# KiCad board PLC-Hardware.kicad_pcb
title: PLC RestoMod Digital I/O PCB; date: 2024-01-04; rev: 2.0; company: Akbar Q Open Source; note: Silk Screen Improved; note: PCB Manufacture Complete by JLC; note: Soldering Done, PCB Functional; note: Restoration Project In Progress
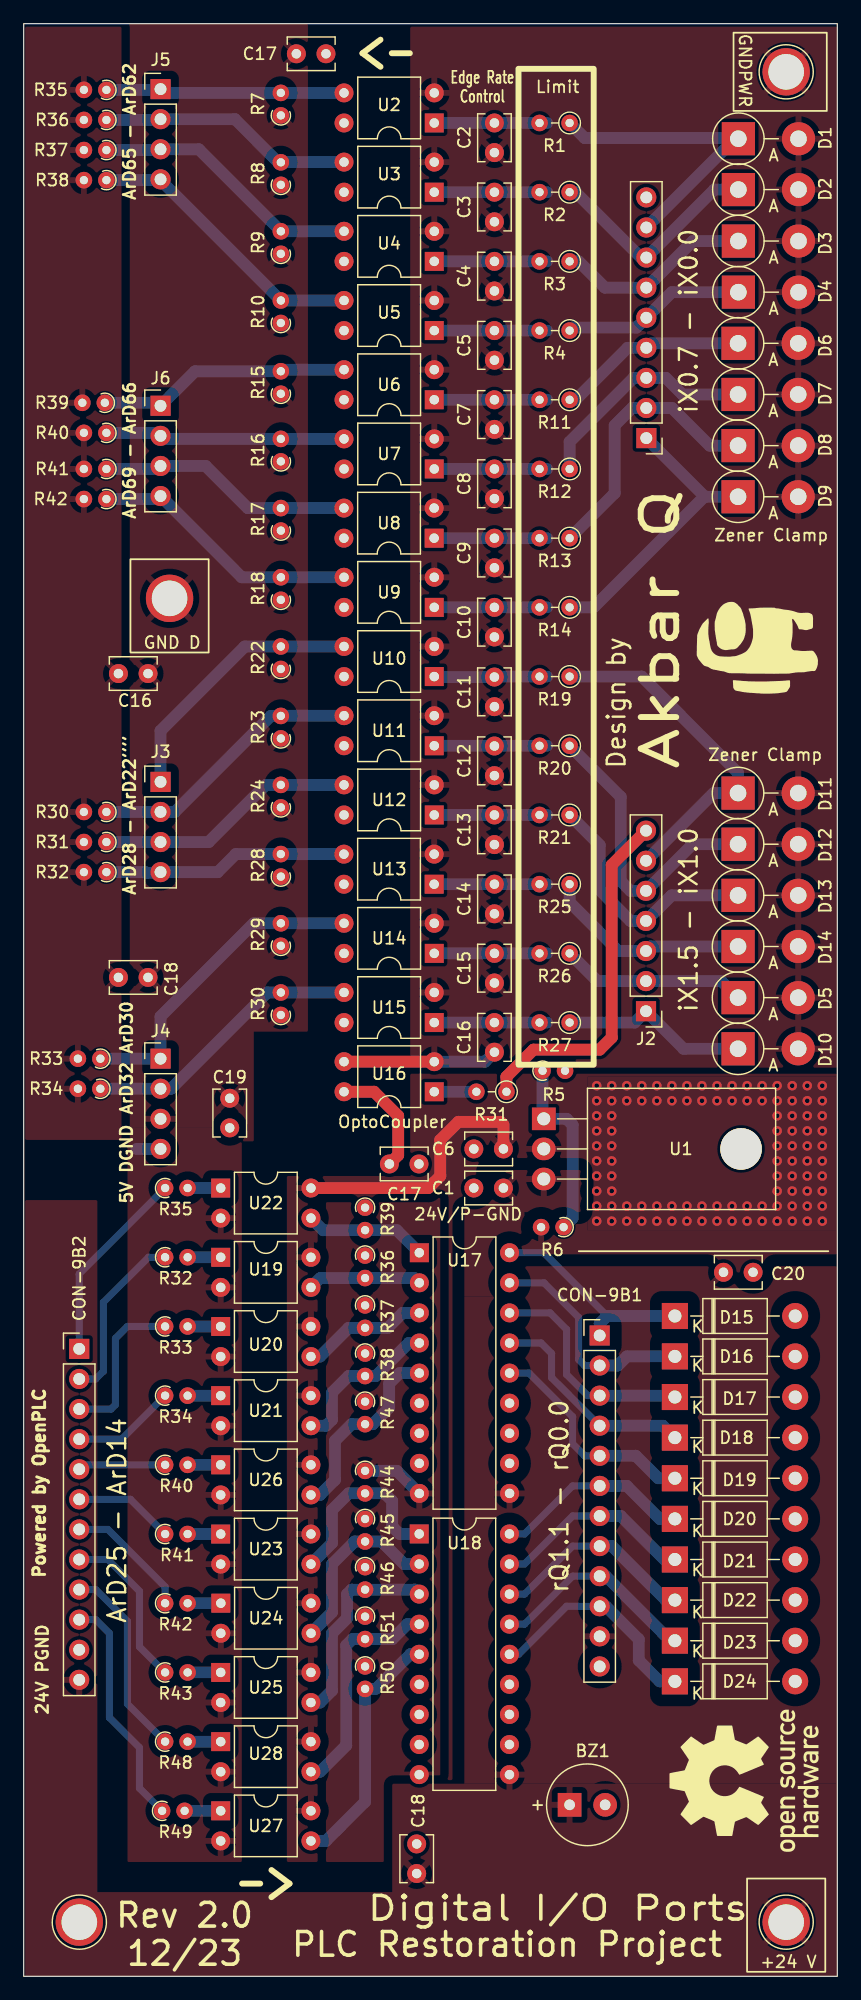
[diagram p0: board, top side]
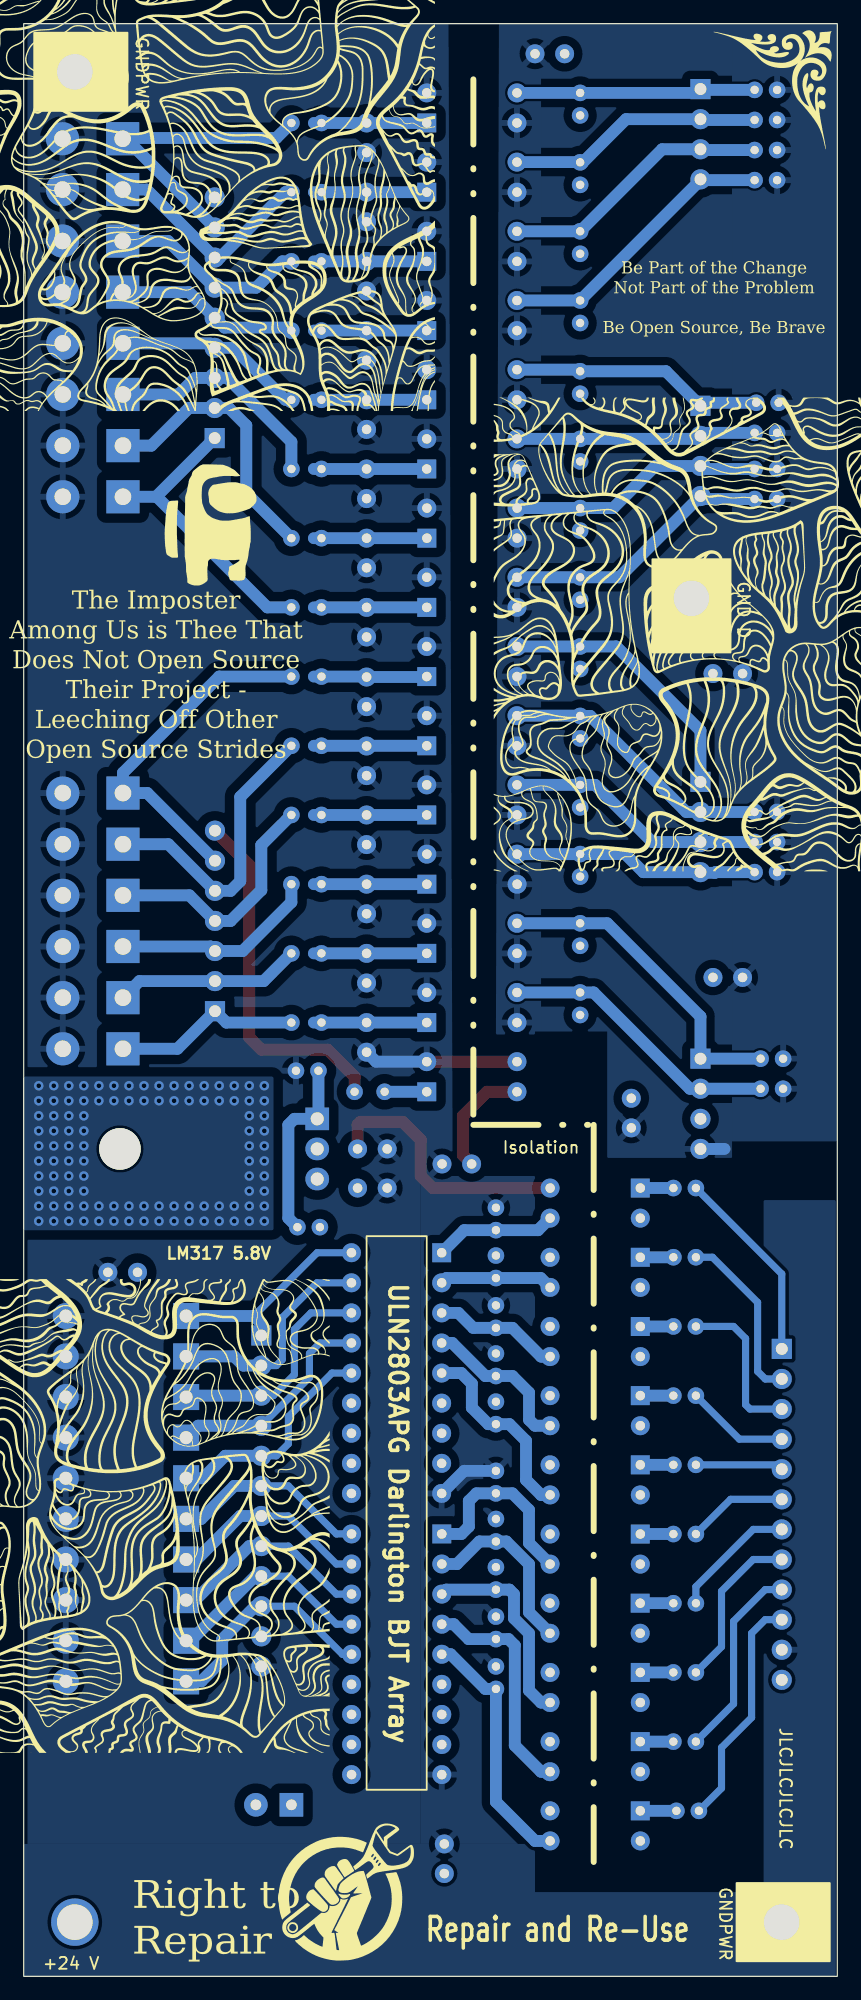
[diagram p1: board, bottom side, seen from below]

Outline 68.71 x 164.85 mm; copper layers: Top, Bottom. Coordinates in mm from the lower left corner of the outline.
Outline path: rectangle 0,164.85 68.71,0
Stack: Top 0.035mm / dielectric 1.51mm FR4 er 4.5 / Bottom 0.035mm

## Placement (name value [footprint] x y rotation side)
BZ1  Buzzer  [MagneticBuzzer_Kobitone_254-EMB73-RO]  46.1 14.48 0 top
C1  C_Small  [C_Disc_D3.8mm_W2.6mm_P2.50mm]  38.01 66.55 0 top
C2  C_Small  [C_Disc_D3.8mm_W2.6mm_P2.50mm]  39.75 153.96 90 top
C3  C_Small  [C_Disc_D3.8mm_W2.6mm_P2.50mm]  39.75 148.12 90 top
C4  C_Small  [C_Disc_D3.8mm_W2.6mm_P2.50mm]  39.75 142.28 90 top
C5  C_Small  [C_Disc_D3.8mm_W2.6mm_P2.50mm]  39.75 136.44 90 top
C6  C_Small  [C_Disc_D3.8mm_W2.6mm_P2.50mm]  38.01 69.85 0 top
C7  C_Small  [C_Disc_D3.8mm_W2.6mm_P2.50mm]  39.75 130.6 90 top
C8  C_Small  [C_Disc_D3.8mm_W2.6mm_P2.50mm]  39.75 124.75 90 top
C9  C_Small  [C_Disc_D3.8mm_W2.6mm_P2.50mm]  39.75 118.91 90 top
C10  C_Small  [C_Disc_D3.8mm_W2.6mm_P2.50mm]  39.75 113.07 90 top
C11  C_Small  [C_Disc_D3.8mm_W2.6mm_P2.50mm]  39.75 107.19 90 top
C12  C_Small  [C_Disc_D3.8mm_W2.6mm_P2.50mm]  39.75 101.37 90 top
C13  C_Small  [C_Disc_D3.8mm_W2.6mm_P2.50mm]  39.75 95.54 90 top
C14  C_Small  [C_Disc_D3.8mm_W2.6mm_P2.50mm]  39.75 89.7 90 top
C15  C_Small  [C_Disc_D3.8mm_W2.6mm_P2.50mm]  39.75 83.86 90 top
C16  C_Small  [C_Disc_D3.8mm_W2.6mm_P2.50mm]  39.75 78.02 90 top
C16#2  C_Small  [C_Disc_D3.8mm_W2.6mm_P2.50mm]  8 109.98 0 top
C17  C_Small  [C_Disc_D3.8mm_W2.6mm_P2.50mm]  25.53 162.31 180 top
C17#2  C_Small  [C_Disc_D3.8mm_W2.6mm_P2.50mm]  33.38 68.58 180 top
C18  C_Small  [C_Disc_D3.8mm_W2.6mm_P2.50mm]  8 84.33 0 top
C18#2  C_Small  [C_Disc_D3.8mm_W2.6mm_P2.50mm]  33.19 8.68 90 top
C19  C_Small  [C_Disc_D3.8mm_W2.6mm_P2.50mm]  17.4 71.63 90 top
C20  C_Small  [C_Disc_D3.8mm_W2.6mm_P2.50mm]  59.09 59.44 0 top
CON-9B1  Conn_01x12_Pin  [PinHeader_1x12_P2.54mm_Vertical]  48.64 54.1 0 top
CON-9B2  Conn_01x12_Pin  [PinHeader_1x12_P2.54mm_Vertical]  4.69 52.97 0 top
D1  D_Zener  [D_5W_P5.08mm_Vertical_AnodeUp]  60.35 155.13 0 top
D2  D_Zener  [D_5W_P5.08mm_Vertical_AnodeUp]  60.35 150.84 0 top
D3  D_Zener  [D_5W_P5.08mm_Vertical_AnodeUp]  60.35 146.5 0 top
D4  D_Zener  [D_5W_P5.08mm_Vertical_AnodeUp]  60.35 142.18 0 top
D5  D_Zener  [D_5W_P5.08mm_Vertical_AnodeUp]  60.33 82.62 0 top
D6  D_Zener  [D_5W_P5.08mm_Vertical_AnodeUp]  60.33 137.86 0 top
D7  D_Zener  [D_5W_P5.08mm_Vertical_AnodeUp]  60.33 133.54 0 top
D8  D_Zener  [D_5W_P5.08mm_Vertical_AnodeUp]  60.33 129.23 0 top
D9  D_Zener  [D_5W_P5.08mm_Vertical_AnodeUp]  60.33 124.91 0 top
D10  D_Zener  [D_5W_P5.08mm_Vertical_AnodeUp]  60.33 78.3 0 top
D11  D_Zener  [D_5W_P5.08mm_Vertical_AnodeUp]  60.33 99.89 0 top
D12  D_Zener  [D_5W_P5.08mm_Vertical_AnodeUp]  60.33 95.58 0 top
D13  D_Zener  [D_5W_P5.08mm_Vertical_AnodeUp]  60.33 91.26 0 top
D14  D_Zener  [D_5W_P5.08mm_Vertical_AnodeUp]  60.33 86.94 0 top
D15  1N4007  [D_DO-41_SOD81_P10.16mm_Horizontal]  54.99 55.75 0 top
D16  1N4007  [D_DO-41_SOD81_P10.16mm_Horizontal]  54.99 52.33 0 top
D17  1N4007  [D_DO-41_SOD81_P10.16mm_Horizontal]  54.99 48.91 0 top
D18  1N4007  [D_DO-41_SOD81_P10.16mm_Horizontal]  54.99 45.48 0 top
D19  1N4007  [D_DO-41_SOD81_P10.16mm_Horizontal]  54.99 42.05 0 top
D20  1N4007  [D_DO-41_SOD81_P10.16mm_Horizontal]  54.99 38.62 0 top
D21  1N4007  [D_DO-41_SOD81_P10.16mm_Horizontal]  54.99 35.19 0 top
D22  1N4007  [D_DO-41_SOD81_P10.16mm_Horizontal]  54.99 31.76 0 top
D23  1N4007  [D_DO-41_SOD81_P10.16mm_Horizontal]  54.99 28.33 0 top
D24  1N4007  [D_DO-41_SOD81_P10.16mm_Horizontal]  54.99 24.9 0 top
G***  -  [LOGO]  62.1 112.52 90 top
G***#2  -  [LOGO]  60.83 16.51 90 top
G***#3  -  [LOGO]  5.46 159.26 0 bottom
G***#4  -  [LOGO]  9.02 113.28 0 bottom
G***#5  -  [LOGO]  42.04 7.11 180 bottom
G***#6  -  [LOGO]  62.86 38.86 180 bottom
G***#7  -  [LOGO]  52.56 122.38 180 bottom
G***#8  -  [LOGO]  53.97 152.15 90 bottom
J1  Conn_01x09_Male  [PinHeader_1x09_P2.54mm_Vertical]  52.58 129.86 180 top
J2  Conn_01x07_Male  [PinHeader_1x07_P2.54mm_Vertical]  52.55 81.48 180 top
J3  Conn_01x04_Pin  [PinHeader_1x04_P2.54mm_Vertical]  11.56 100.84 0 top
J4  Conn_01x04_Pin  [PinHeader_1x04_P2.54mm_Vertical]  11.56 77.47 0 top
J5  Conn_01x04_Pin  [PinHeader_1x04_P2.54mm_Vertical]  11.56 159.33 0 top
J6  Conn_01x04_Pin  [PinHeader_1x04_P2.54mm_Vertical]  11.56 132.59 0 top
NOREF  -  [unnamed]  12.32 116.33 0 top
R1  1.2k  [R_Axial_DIN0204_L3.6mm_D1.6mm_P2.54mm_Vertical]  46.1 156.46 180 top
R2  1.2k  [R_Axial_DIN0204_L3.6mm_D1.6mm_P2.54mm_Vertical]  46.1 150.62 180 top
R3  1.2k  [R_Axial_DIN0204_L3.6mm_D1.6mm_P2.54mm_Vertical]  46.1 144.78 180 top
R4  1.2k  [R_Axial_DIN0204_L3.6mm_D1.6mm_P2.54mm_Vertical]  46.1 138.94 180 top
R5  1.2k  [R_Axial_DIN0204_L3.6mm_D1.6mm_P1.90mm_Vertical]  43.81 76.45 0 top
R6  330  [R_Axial_DIN0204_L3.6mm_D1.6mm_P1.90mm_Vertical]  45.59 63.25 180 top
R7  1k  [R_Axial_DIN0204_L3.6mm_D1.6mm_P1.90mm_Vertical]  21.72 157.1 90 top
R8  1k  [R_Axial_DIN0204_L3.6mm_D1.6mm_P1.90mm_Vertical]  21.72 151.24 90 top
R9  1k  [R_Axial_DIN0204_L3.6mm_D1.6mm_P1.90mm_Vertical]  21.72 145.42 90 top
R10  1k  [R_Axial_DIN0204_L3.6mm_D1.6mm_P1.90mm_Vertical]  21.72 139.58 90 top
R11  1.2k  [R_Axial_DIN0204_L3.6mm_D1.6mm_P2.54mm_Vertical]  46.1 133.1 180 top
R12  1.2k  [R_Axial_DIN0204_L3.6mm_D1.6mm_P2.54mm_Vertical]  46.1 127.25 180 top
R13  1.2k  [R_Axial_DIN0204_L3.6mm_D1.6mm_P2.54mm_Vertical]  46.1 121.41 180 top
R14  1.2k  [R_Axial_DIN0204_L3.6mm_D1.6mm_P2.54mm_Vertical]  46.1 115.57 180 top
R15  1k  [R_Axial_DIN0204_L3.6mm_D1.6mm_P1.90mm_Vertical]  21.72 133.6 90 top
R16  1k  [R_Axial_DIN0204_L3.6mm_D1.6mm_P1.90mm_Vertical]  21.72 127.89 90 top
R17  1k  [R_Axial_DIN0204_L3.6mm_D1.6mm_P1.90mm_Vertical]  21.72 122.05 90 top
R18  1k  [R_Axial_DIN0204_L3.6mm_D1.6mm_P1.90mm_Vertical]  21.72 116.21 90 top
R19  1.2k  [R_Axial_DIN0204_L3.6mm_D1.6mm_P2.54mm_Vertical]  46.1 109.73 180 top
R20  1.2k  [R_Axial_DIN0204_L3.6mm_D1.6mm_P2.54mm_Vertical]  46.1 103.89 180 top
R21  1.2k  [R_Axial_DIN0204_L3.6mm_D1.6mm_P2.54mm_Vertical]  46.1 98.04 180 top
R22  1k  [R_Axial_DIN0204_L3.6mm_D1.6mm_P1.90mm_Vertical]  21.72 110.37 90 top
R23  1k  [R_Axial_DIN0204_L3.6mm_D1.6mm_P1.90mm_Vertical]  21.72 104.51 90 top
R24  1k  [R_Axial_DIN0204_L3.6mm_D1.6mm_P1.90mm_Vertical]  21.72 98.68 90 top
R25  1.2k  [R_Axial_DIN0204_L3.6mm_D1.6mm_P2.54mm_Vertical]  46.1 92.2 180 top
R26  1.2k  [R_Axial_DIN0204_L3.6mm_D1.6mm_P2.54mm_Vertical]  46.1 86.36 180 top
R27  1.2k  [R_Axial_DIN0204_L3.6mm_D1.6mm_P2.54mm_Vertical]  46.1 80.52 180 top
R28  1k  [R_Axial_DIN0204_L3.6mm_D1.6mm_P1.90mm_Vertical]  21.72 92.84 90 top
R29  1k  [R_Axial_DIN0204_L3.6mm_D1.6mm_P1.90mm_Vertical]  21.72 87 90 top
R30  1k  [R_Axial_DIN0204_L3.6mm_D1.6mm_P1.90mm_Vertical]  6.99 98.3 180 top
R30#2  1k  [R_Axial_DIN0204_L3.6mm_D1.6mm_P1.90mm_Vertical]  21.72 81.16 90 top
R31  1.2k  [R_Axial_DIN0204_L3.6mm_D1.6mm_P2.54mm_Vertical]  40.77 74.68 180 top
R31#2  1k  [R_Axial_DIN0204_L3.6mm_D1.6mm_P1.90mm_Vertical]  6.99 95.76 180 top
R32  220  [R_Axial_DIN0204_L3.6mm_D1.6mm_P1.90mm_Vertical]  11.94 60.71 0 top
R32#2  1k  [R_Axial_DIN0204_L3.6mm_D1.6mm_P1.90mm_Vertical]  6.99 93.22 180 top
R33  220  [R_Axial_DIN0204_L3.6mm_D1.6mm_P1.90mm_Vertical]  11.94 54.86 0 top
R33#2  1k  [R_Axial_DIN0204_L3.6mm_D1.6mm_P1.90mm_Vertical]  6.48 77.47 180 top
R34  220  [R_Axial_DIN0204_L3.6mm_D1.6mm_P1.90mm_Vertical]  11.94 49.02 0 top
R34#2  1k  [R_Axial_DIN0204_L3.6mm_D1.6mm_P1.90mm_Vertical]  6.48 74.93 180 top
R35  220  [R_Axial_DIN0204_L3.6mm_D1.6mm_P1.90mm_Vertical]  11.94 66.55 0 top
R35#2  1k  [R_Axial_DIN0204_L3.6mm_D1.6mm_P1.90mm_Vertical]  6.99 159.26 180 top
R36  1k  [R_Axial_DIN0204_L3.6mm_D1.6mm_P1.90mm_Vertical]  28.83 60.85 270 top
R36#2  1k  [R_Axial_DIN0204_L3.6mm_D1.6mm_P1.90mm_Vertical]  6.99 156.72 180 top
R37  1k  [R_Axial_DIN0204_L3.6mm_D1.6mm_P1.90mm_Vertical]  28.83 56.64 270 top
R37#2  1k  [R_Axial_DIN0204_L3.6mm_D1.6mm_P1.90mm_Vertical]  6.99 154.18 180 top
R38  1k  [R_Axial_DIN0204_L3.6mm_D1.6mm_P1.90mm_Vertical]  6.99 151.64 180 top
R38#2  1k  [R_Axial_DIN0204_L3.6mm_D1.6mm_P1.90mm_Vertical]  28.83 52.58 270 top
R39  1k  [R_Axial_DIN0204_L3.6mm_D1.6mm_P1.90mm_Vertical]  6.85 132.84 180 top
R39#2  1k  [R_Axial_DIN0204_L3.6mm_D1.6mm_P1.90mm_Vertical]  28.83 64.89 270 top
R40  220  [R_Axial_DIN0204_L3.6mm_D1.6mm_P1.90mm_Vertical]  11.94 43.18 0 top
R40#2  1k  [R_Axial_DIN0204_L3.6mm_D1.6mm_P1.90mm_Vertical]  6.99 130.3 180 top
R41  1k  [R_Axial_DIN0204_L3.6mm_D1.6mm_P1.90mm_Vertical]  6.99 127.25 180 top
R41#2  220  [R_Axial_DIN0204_L3.6mm_D1.6mm_P1.90mm_Vertical]  11.94 37.34 0 top
R42  220  [R_Axial_DIN0204_L3.6mm_D1.6mm_P1.90mm_Vertical]  11.94 31.5 0 top
R42#2  1k  [R_Axial_DIN0204_L3.6mm_D1.6mm_P1.90mm_Vertical]  6.99 124.71 180 top
R43  220  [R_Axial_DIN0204_L3.6mm_D1.6mm_P1.90mm_Vertical]  11.94 25.65 0 top
R44  1k  [R_Axial_DIN0204_L3.6mm_D1.6mm_P1.90mm_Vertical]  28.83 42.67 270 top
R45  1k  [R_Axial_DIN0204_L3.6mm_D1.6mm_P1.90mm_Vertical]  28.83 38.61 270 top
R46  1k  [R_Axial_DIN0204_L3.6mm_D1.6mm_P1.90mm_Vertical]  28.83 34.54 270 top
R47  1k  [R_Axial_DIN0204_L3.6mm_D1.6mm_P1.90mm_Vertical]  28.83 48.51 270 top
R48  220  [R_Axial_DIN0204_L3.6mm_D1.6mm_P1.90mm_Vertical]  11.94 19.81 0 top
R49  220  [R_Axial_DIN0204_L3.6mm_D1.6mm_P1.90mm_Vertical]  11.69 13.97 0 top
R50  1k  [R_Axial_DIN0204_L3.6mm_D1.6mm_P1.90mm_Vertical]  28.83 26.16 270 top
R51  1k  [R_Axial_DIN0204_L3.6mm_D1.6mm_P1.90mm_Vertical]  28.83 30.37 270 top
REF**  -  [TestPoint_Plated_Hole_D3.0mm]  64.39 160.78 0 top
REF**#2  -  [TestPoint_Plated_Hole_D3.0mm]  4.7 4.57 0 top
REF**#3  -  [TestPoint_Plated_Hole_D3.0mm]  64.39 4.57 0 top
U1  LM317_TO-220  [TO-220-3_Horizontal_TabDown]  43.92 72.39 270 top
U2  PC817  [DIP-4_W7.62mm]  34.67 156.46 180 top
U3  PC817  [DIP-4_W7.62mm]  34.67 150.62 180 top
U4  PC817  [DIP-4_W7.62mm]  34.67 144.78 180 top
U5  PC817  [DIP-4_W7.62mm]  34.67 138.94 180 top
U6  PC817  [DIP-4_W7.62mm]  34.67 133.1 180 top
U7  PC817  [DIP-4_W7.62mm]  34.67 127.25 180 top
U8  PC817  [DIP-4_W7.62mm]  34.66 121.41 180 top
U9  PC817  [DIP-4_W7.62mm]  34.67 115.57 180 top
U10  PC817  [DIP-4_W7.62mm]  34.67 109.73 180 top
U11  PC817  [DIP-4_W7.62mm]  34.67 103.89 180 top
U12  PC817  [DIP-4_W7.62mm]  34.67 98.04 180 top
U13  PC817  [DIP-4_W7.62mm]  34.66 92.2 180 top
U14  PC817  [DIP-4_W7.62mm]  34.67 86.36 180 top
U15  PC817  [DIP-4_W7.62mm]  34.67 80.52 180 top
U16  PC817  [DIP-4_W7.62mm]  34.67 74.68 180 top
U17  ULN2803A  [DIP-18_W7.62mm]  33.41 61.09 0 top
U18  ULN2803A  [DIP-18_W7.62mm]  33.4 37.35 0 top
U19  PC817  [DIP-4_W7.62mm]  16.64 60.7 0 top
U20  PC817  [DIP-4_W7.62mm]  16.64 54.86 0 top
U21  PC817  [DIP-4_W7.62mm]  16.64 49.02 0 top
U22  PC817  [DIP-4_W7.62mm]  16.64 66.55 0 top
U23  PC817  [DIP-4_W7.62mm]  16.64 37.34 0 top
U24  PC817  [DIP-4_W7.62mm]  16.65 31.5 0 top
U25  PC817  [DIP-4_W7.62mm]  16.64 25.65 0 top
U26  PC817  [DIP-4_W7.62mm]  16.64 43.18 0 top
U27  PC817  [DIP-4_W7.62mm]  16.64 13.97 0 top
U28  PC817  [DIP-4_W7.62mm]  16.64 19.81 0 top

## Library data of the parts
BZ1 = -: Description: Buzzer, polarized
C1-C16 C16#2 C17 C17#2 C18 C18#2 C19 C20 = -: Description: Unpolarized capacitor, small symbol
CON-9B1 CON-9B2 = -: Description: Generic connector, single row, 01x12, script generated
D1-D14 = -: Description: Zener diode
D15-D24 = -: Description: 1000V 1A General Purpose Rectifier Diode, DO-41; Sim.Device: D; Sim.Pins: 1=K 2=A
J1 = -: Description: Generic connector, single row, 01x09, script generated (kicad-library-utils/schlib/autogen/connector/)
J2 = -: Description: Generic connector, single row, 01x07, script generated (kicad-library-utils/schlib/autogen/connector/)
J3-J6 = -: Description: Generic connector, single row, 01x04, script generated
R1-R30 R30#2 R31 R31#2 R32 R32#2 R33 R33#2 R34 R34#2 R35 R35#2 R36 R36#2 R37 R37#2 R38 R38#2 R39 R39#2 R40 R40#2 R41 R41#2 R42 R42#2 R43-R51 = -: Description: Resistor
U1 = -: Description: 1.5A 35V Adjustable Linear Regulator, TO-220
U2-U16 U19-U28 = -: Description: DC Optocoupler, Vce 35V, CTR 50-300%, DIP-4
U17 U18 = -: Description: Darlington Transistor Arrays, SOIC18/DIP18

## Footprints (pads in the part's own frame, mm; a bottom-side part is the same pattern mirrored in y, then rotated)
C_Disc_D3.8mm_W2.6mm_P2.50mm
  round 1.6 hole 0.8: 1(0,0) 2(2.5,0)
D_5W_P5.08mm_Vertical_AnodeUp
  rect 2.8x2.8 hole 1.4: 1(0,0)
  oval 2.8x2.8 hole 1.4: 2(5.08,0)
D_DO-41_SOD81_P10.16mm_Horizontal
  rect 2.2x2.2 hole 1.1: 1(0,0)
  oval 2.2x2.2 hole 1.1: 2(10.16,0)
DIP-4_W7.62mm
  rect 1.6x1.6 hole 0.8: 1(0,0)
  oval 1.6x1.6 hole 0.8: 2(0,-2.54) 3(7.62,-2.54) 4(7.62,0)
DIP-18_W7.62mm
  rect 1.6x1.6 hole 0.8: 1(0,0)
  oval 1.6x1.6 hole 0.8: 2(0,-2.54) 3(0,-5.08) 4(0,-7.62) 5(0,-10.16) 6(0,-12.7) 7(0,-15.24) 8(0,-17.78) 9(0,-20.32) 10(7.62,-20.32) 11(7.62,-17.78) 12(7.62,-15.24) 13(7.62,-12.7) 14(7.62,-10.16) 15(7.62,-7.62) 16(7.62,-5.08) 17(7.62,-2.54) 18(7.62,0)
MagneticBuzzer_Kobitone_254-EMB73-RO
  rect 2x2 hole 0.9: 1(0,0)
  round 2 hole 0.9: 2(3,0)
PinHeader_1x04_P2.54mm_Vertical
  rect 1.7x1.7 hole 1: 1(0,0)
  oval 1.7x1.7 hole 1: 2(0,-2.54) 3(0,-5.08) 4(0,-7.62)
PinHeader_1x07_P2.54mm_Vertical
  rect 1.7x1.7 hole 1: 1(0,0)
  oval 1.7x1.7 hole 1: 2(0,-2.54) 3(0,-5.08) 4(0,-7.62) 5(0,-10.16) 6(0,-12.7) 7(0,-15.24)
PinHeader_1x09_P2.54mm_Vertical
  rect 1.7x1.7 hole 1: 1(0,0)
  oval 1.7x1.7 hole 1: 2(0,-2.54) 3(0,-5.08) 4(0,-7.62) 5(0,-10.16) 6(0,-12.7) 7(0,-15.24) 8(0,-17.78) 9(0,-20.32)
PinHeader_1x12_P2.54mm_Vertical
  rect 1.7x1.7 hole 1: 1(0,0)
  oval 1.7x1.7 hole 1: 2(0,-2.54) 3(0,-5.08) 4(0,-7.62) 5(0,-10.16) 6(0,-12.7) 7(0,-15.24) 8(0,-17.78) 9(0,-20.32) 10(0,-22.86) 11(0,-25.4) 12(0,-27.94)
R_Axial_DIN0204_L3.6mm_D1.6mm_P1.90mm_Vertical
  round 1.4 hole 0.7: 1(0,0)
  oval 1.4x1.4 hole 0.7: 2(1.9,0)
R_Axial_DIN0204_L3.6mm_D1.6mm_P2.54mm_Vertical
  round 1.4 hole 0.7: 1(0,0)
  oval 1.4x1.4 hole 0.7: 2(2.54,0)
TestPoint_Plated_Hole_D3.0mm
  round 4 hole 3: 1(0,0)
TO-220-3_Horizontal_TabDown
  oval 3.5x3.5 hole 3.5 unplated: (2.54,16.66)
  rect 1.905x2 hole 1.1: 1(0,0)
  oval 1.905x2 hole 1.1: 2(2.54,0) 3(5.08,0)
unnamed
  round 4 hole 3: 1(0,0)

## Nets
+5V: C16#2.1 C17.1 C18.1 C19.1 J4.4 R30.2 R31#2.2 R32#2.2 R33#2.2 R34#2.2 R35#2.2 R36#2.2 R37#2.2 R38.2 R39.2 R40#2.2 R41.2 R42#2.2 U2.4 U3.4 U4.4 U5.4 U6.4 U7.4 U8.4 U9.4 U10.4 U11.4 U12.4 U13.4 U14.4 U15.4
+24V: BZ1.1 C1.2 C18#2.1 C20.1 CON-9B1.11 CON-9B2.12 REF**#3.1 U1.3 U17.10 U18.10
GNDD: C16#2.2 C17.2 C18.2 C19.2 J4.3 NOREF.1 R7.1 R8.1 R9.1 R10.1 R15.1 R16.1 R17.1 R18.1 R22.1 R23.1 R24.1 R28.1 R29.1 R30#2.1 U19.2 U20.2 U21.2 U22.2 U23.2 U24.2 U25.2 U26.2 U27.2 U28.2
GNDPWR: C1.1 C2.1 C3.1 C4.1 C5.1 C6.1 C7.1 C8.1 C9.1 C10.1 C11.1 C12.1 C13.1 C14.1 C15.1 C16.1 C17#2.1 C18#2.2 C20.2 CON-9B1.12 CON-9B2.11 D1.2 D2.2 D3.2 D4.2 D5.2 D6.2 D7.2 D8.2 D9.2 D10.2 D11.2 D12.2 D13.2 D14.2 D15.2 D16.2 D17.2 D18.2 D19.2 D20.2 D21.2 D22.2 D23.2 D24.2 R5.2 R36.1 R37.1 R38#2.1 R39#2.1 R44.1 R45.1 R46.1 R47.1 R50.1 R51.1 REF**.1 REF**#2.1 U2.2 U3.2 U4.2 U5.2 U6.2 U7.2 U8.2 U9.2 U10.2 U11.2 U12.2 U13.2 U14.2 U15.2 U16.2 U16.3 U17.9 U18.9
+5P: C6.2 R6.2 U1.2 U19.4 U20.4 U21.4 U22.4 U23.4 U24.4 U25.4 U26.4 U27.4 U28.4
/Buzze: J2.7 R31.1
/IX0.0: D1.1 J1.8 R1.1
/IX0.1: D2.1 J1.7 R2.1
/IX0.2: D3.1 J1.6 R3.1
/IX0.3: D4.1 J1.5 R4.1
/IX0.4: D6.1 J1.4 R11.1
/IX0.5: D7.1 J1.3 R12.1
/IX0.6: D8.1 J1.2 R13.1
/IX0.7: D9.1 J1.1 R14.1
/IX01.0: D11.1 J2.6 R19.1
/IX01.1: D12.1 J2.5 R20.1
/IX01.2: D13.1 J2.4 R21.1
/IX01.3: D14.1 J2.3 R25.1
/IX01.4: D5.1 J2.2 R26.1
/IX01.5: D10.1 J2.1 R27.1
/Relay-Output/RQ0.0: CON-9B1.1 D15.1 U17.18
/Relay-Output/RQ0.1: CON-9B1.2 D16.1 U17.17
/Relay-Output/RQ0.2: CON-9B1.3 D17.1 U17.16
/Relay-Output/RQ0.3: CON-9B1.4 D18.1 U17.15
/Relay-Output/RQ0.4: CON-9B1.5 D19.1 U17.14
/Relay-Output/RQ0.5: CON-9B1.6 D20.1 U18.18
/Relay-Output/RQ0.6: CON-9B1.7 D21.1 U18.17
/Relay-Output/RQ0.7: CON-9B1.8 D22.1 U18.16
/Relay-Output/RQ1.0: CON-9B1.9 D23.1 U18.15
/Relay-Output/RQ1.1: CON-9B1.10 D24.1 U18.14
/Relay-Output/~{OverVoltage}: BZ1.2
/~{OverVoltage}: C17#2.2 U16.4
ArD14: CON-9B2.1 R35.1
ArD15: CON-9B2.2 R32.1
ArD16: CON-9B2.3 R33.1
ArD17: CON-9B2.4 R34.1
ArD18: CON-9B2.5 R40.1
ArD19: CON-9B2.6 R41#2.1
ArD20: CON-9B2.7 R42.1
ArD21: CON-9B2.8 R43.1
ArD22: J3.1 R22.2 U10.3
ArD23: CON-9B2.9 R48.1
ArD24: J3.2 R23.2 R30.1 U11.3
ArD25: CON-9B2.10 R49.1
ArD26: J3.3 R24.2 R31#2.1 U12.3
ArD28: J3.4 R28.2 R32#2.1 U13.3
ArD30: J4.1 R29.2 R33#2.1 U14.3
ArD32: J4.2 R30#2.2 R34#2.1 U15.3
ArD62: J5.1 R7.2 R35#2.1 U2.3
ArD63: J5.2 R8.2 R36#2.1 U3.3
ArD64: J5.3 R9.2 R37#2.1 U4.3
ArD65: J5.4 R10.2 R38.1 U5.3
ArD66: J6.1 R15.2 R39.1 U6.3
ArD67: J6.2 R16.2 R40#2.1 U7.3
ArD68: J6.3 R17.2 R41.1 U8.3
ArD69: J6.4 R18.2 R42#2.1 U9.3
Rel14: R39#2.2 U17.1 U22.3
Rel15: R36.2 U17.2 U19.3
Rel16: R37.2 U17.3 U20.3
Rel17: R38#2.2 U17.4 U21.3
Rel18: R47.2 U17.5 U26.3
Rel19: R44.2 U18.1 U23.3
Rel20: R45.2 U18.2 U24.3
Rel21: R46.2 U18.3 U25.3
Rel23: R51.2 U18.4 U28.3
Rel25: R50.2 U18.5 U27.3
Net-(C2-Pad2): C2.2 R1.2 U2.1
Net-(C3-Pad2): C3.2 R2.2 U3.1
Net-(C4-Pad2): C4.2 R3.2 U4.1
Net-(C5-Pad2): C5.2 R4.2 U5.1
Net-(C7-Pad2): C7.2 R11.2 U6.1
Net-(C8-Pad2): C8.2 R12.2 U7.1
Net-(C9-Pad2): C9.2 R13.2 U8.1
Net-(C10-Pad2): C10.2 R14.2 U9.1
Net-(C11-Pad2): C11.2 R19.2 U10.1
Net-(C12-Pad2): C12.2 R20.2 U11.1
Net-(C13-Pad2): C13.2 R21.2 U12.1
Net-(C14-Pad2): C14.2 R25.2 U13.1
Net-(C15-Pad2): C15.2 R26.2 U14.1
Net-(C16-Pad2): C16.2 R27.2 U15.1
Net-(R31-Pad2): R31.2 U16.1
Net-(R32-Pad2): R32.2 U19.1
Net-(R33-Pad2): R33.2 U20.1
Net-(R34-Pad2): R34.2 U21.1
Net-(R35-Pad2): R35.2 U22.1
Net-(R40-Pad2): R40.2 U26.1
Net-(R41-Pad2): R41#2.2 U23.1
Net-(R42-Pad2): R42.2 U24.1
Net-(R43-Pad2): R43.2 U25.1
Net-(R48-Pad2): R48.2 U28.1
Net-(R49-Pad2): R49.2 U27.1
Net-(U1-ADJ): R5.1 R6.1 U1.1

Pads without a net: J1 9; U17 6 7 8 11 12 13; U18 6 7 8 11 12 13

## Via types
v1: diameter 0.8, hole 0.4, Top to Bottom, 100 vias

## Routing (per net, layer and track width the routed paths; a pad name or vN(x,y) marks a point on that pad's centre or on a via; arc(x,y) is an arc through that point)
+5V: length 2
  Bottom w1: 9.53,69.85 J4.4
GNDPWR: length 18.4
  Top w1: U16.3 U16.2
  Bottom w1: U17.9 31.51,42.67 R44.1 ; U16.2 38.95,77.22 C16.1
+5P: length 22.5
  Top w1: C6.2 40.51,71.88 40.26,72.14 36.7,72.14 35.18,70.61 35.18,67.56 34.16,66.55 U22.4
  vias: v1(48.39,75.18) v1(48.39,73.91) v1(48.39,72.64) v1(48.39,71.37) v1(48.39,70.1) v1(48.39,68.83) v1(48.39,67.56) v1(48.39,66.29) v1(48.39,65.02) v1(48.39,63.75) v1(49.66,75.18) v1(49.66,73.91) v1(49.66,72.64) v1(49.66,71.37) v1(49.66,70.1) v1(49.66,68.83) v1(49.66,67.56) v1(49.66,66.29) v1(49.66,65.02) v1(49.66,63.75) v1(50.93,75.18) v1(50.93,73.91) v1(50.93,65.02) v1(50.93,63.75) v1(52.2,75.18) v1(52.2,73.91) v1(52.2,65.02) v1(52.2,63.75) v1(53.47,75.18) v1(53.47,73.91) v1(53.47,65.02) v1(53.47,63.75) v1(54.74,75.18) v1(54.74,73.91) v1(54.74,65.02) v1(54.74,63.75) v1(56.01,75.18) v1(56.01,73.91) v1(56.01,65.02) v1(56.01,63.75) v1(57.28,75.18) v1(57.28,73.91) v1(57.28,65.02) v1(57.28,63.75) v1(58.55,75.18) v1(58.55,73.91) v1(58.55,65.02) v1(58.55,63.75) v1(59.82,75.18) v1(59.82,73.91) v1(59.82,65.02) v1(59.82,63.75) v1(61.09,75.18) v1(61.09,73.91) v1(61.09,65.02) v1(61.09,63.75) v1(62.36,75.18) v1(62.36,73.91) v1(62.36,65.02) v1(62.36,63.75) v1(63.63,75.18) v1(63.63,73.91) v1(63.63,72.64) v1(63.63,71.37) v1(63.63,70.1) v1(63.63,68.83) v1(63.63,67.56) v1(63.63,66.29) v1(63.63,65.02) v1(63.63,63.75) v1(64.9,75.18) v1(64.9,73.91) v1(64.9,72.64) v1(64.9,71.37) v1(64.9,70.1) v1(64.9,68.83) v1(64.9,67.56) v1(64.9,66.29) v1(64.9,65.02) v1(64.9,63.75) v1(66.17,75.18) v1(66.17,73.91) v1(66.17,72.64) v1(66.17,71.37) v1(66.17,70.1) v1(66.17,68.83) v1(66.17,67.56) v1(66.17,66.29) v1(66.17,65.02) v1(66.17,63.75) v1(67.44,75.18) v1(67.44,73.91) v1(67.44,72.64) v1(67.44,71.37) v1(67.44,70.1) v1(67.44,68.83) v1(67.44,67.56) v1(67.44,66.29) v1(67.44,65.02) v1(67.44,63.75)
/Buzze: length 30.2
  Top w1: J2.7 49.66,93.82 49.66,79.25 48.64,78.23 43.05,78.23 40.77,75.95 R31.1
/IX0.0: length 25.7
  Bottom w1: 52.58,147.64 60.07,155.13 D1.1 60.29,155.19 47.37,155.19 R1.1
/IX0.1: length 18.9
  Bottom w1: R2.1 46.61,150.62 52.13,145.1 52.58,145.1 58.32,150.84 D2.1
/IX0.2: length 16.8
  Bottom w1: D3.1 56.52,146.5 J1.6 49.08,142.56 46.86,144.78 R3.1
/IX0.3: length 15.6
  Bottom w1: D4.1 54.74,142.18 51.75,139.19 46.36,139.19 R4.1
/IX0.4: length 15.7
  Bottom w1: J1.4 50.99,137.48 46.61,133.1 R11.1 ; D6.1 52.96,137.86
/IX0.5: length 19.3
  Bottom w1: R12.1 46.1,129.54 51.5,134.94 J1.3 54.23,134.94 55.63,133.54 D7.1
/IX0.6: length 23.4
  Bottom w1: R13.1 49.91,125.22 49.91,130.94 51.38,132.4 J1.2 54.75,132.4 57.92,129.23 D8.1
/IX0.7: length 25.1
  Bottom w1: 57.53,124.91 57.47,124.91 48.13,115.57 R14.1 ; 57.53,124.91 J1.1 ; 57.53,124.91 D9.1
/IX01.0: length 29.4
  Bottom w1: R19.1 52.2,109.73 60.33,101.6 D11.1 58.27,99.89 J2.6
/IX01.1: length 25.1
  Bottom w1: R20.1 50.42,99.57 50.42,92.46 51.24,91.64 J2.5 56.49,95.58 D12.1
/IX01.2: length 21.1
  Bottom w1: R21.1 48.64,95.5 48.64,91.69 51.24,89.1 J2.4 54.71,91.26 D13.1
/IX01.3: length 17.6
  Bottom w1: R25.1 46.1,90.68 50.22,86.56 J2.3 52.93,86.94 D14.1
/IX01.4: length 15.8
  Bottom w1: D5.1 58.93,84.02 J2.2 48.44,84.02 R26.1
/IX01.5: length 15.9
  Bottom w1: D10.1 55.73,78.3 J2.1 51.59,80.52 R27.1
/Relay-Output/RQ0.0: length 18.1
  Bottom w0.6: U17.18 43.93,61.09 49.27,55.75
  Bottom w1: D15.1 49.27,55.75 48.64,55.12 CON-9B1.1
/Relay-Output/RQ0.1: length 19.3
  Bottom w0.6: U17.17 43.94,58.55 46.86,55.63 46.86,52.07 47.37,51.56 CON-9B1.2
  Bottom w1: D16.1 50.94,52.33 50.16,51.56 CON-9B1.2
/Relay-Output/RQ0.2: length 19.1
  Bottom w0.6: U17.16 44.45,56.01 45.85,54.61 45.85,50.8 47.62,49.02 CON-9B1.3
  Bottom w1: D17.1 54.87,49.02 CON-9B1.3
/Relay-Output/RQ0.3: length 18.5
  Bottom w0.6: U17.15 43.69,53.47 44.58,52.58 44.58,50.55 CON-9B1.4
  Bottom w1: CON-9B1.4 53.98,46.48 D18.1
/Relay-Output/RQ0.4: length 19
  Bottom w0.6: CON-9B1.5 47.37,43.94 46.36,44.96 46.36,47.24 42.67,50.93 41.03,50.93
  Bottom w1: CON-9B1.5 51.69,43.94 53.58,42.05 D19.1
/Relay-Output/RQ0.5: length 16.8
  Bottom w0.6: CON-9B1.6 46.36,41.4 42.3,37.35 U18.18
  Bottom w1: D20.1 53.71,38.62 50.93,41.4 CON-9B1.6
/Relay-Output/RQ0.6: length 17.2
  Bottom w0.6: U18.17 42.3,34.81 46.36,38.86 CON-9B1.7
  Bottom w1: CON-9B1.7 50.42,38.86 54.09,35.19 D21.1
/Relay-Output/RQ0.7: length 17.5
  Bottom w0.6: CON-9B1.8 46.36,36.32 42.3,32.27 U18.16
  Bottom w1: CON-9B1.8 49.66,36.32 54.22,31.76 D22.1
/Relay-Output/RQ1.0: length 17.9
  Bottom w0.6: U18.15 42.3,29.73 46.36,33.78 CON-9B1.9
  Bottom w1: D23.1 54.6,28.33 49.15,33.78 CON-9B1.9
/Relay-Output/RQ1.1: length 19.3
  Bottom w0.6: U18.14 41.79,27.19 45.85,31.24 CON-9B1.10
  Bottom w1: D24.1 53.71,24.9 51.94,26.67 51.94,28.45 49.15,31.24 CON-9B1.10
/~{OverVoltage}: length 9.8
  Top w1: C17#2.2 31.62,69.32 31.62,72.64 29.59,74.68 U16.4
ArD14: length 16.6
  Bottom w0.6: R35.1 4.69,59.29 CON-9B2.1
ArD15: length 14.9
  Bottom w0.6: R32.1 10.54,60.71 6.73,56.9 6.73,51.07 6.09,50.43 CON-9B2.2
ArD16: length 13.4
  Bottom w0.6: R33.1 8.76,54.86 7.75,53.85 7.75,48.26 7.38,47.89 CON-9B2.3
ArD17: length 8.8
  Bottom w0.6: CON-9B2.4 8.27,45.35 R34.1
ArD18: length 7.4
  Bottom w0.6: R40.1 5.06,43.18 CON-9B2.5
ArD19: length 8.5
  Bottom w0.6: CON-9B2.6 9.01,40.27 R41#2.1
ArD20: length 10.7
  Bottom w0.6: CON-9B2.7 7.1,37.73 11.94,32.89 R42.1
ArD21: length 14
  Bottom w0.6: R43.1 9.78,27.82 9.78,32.51 7.1,35.19 CON-9B2.8
ArD22: length 22.8
  Bottom w1: J3.1 11.56,105.16 18.67,112.27 R22.2 U10.3
ArD23: length 16.7
  Bottom w0.6: R48.1 8.76,22.99 8.76,29.97 6.09,32.65 CON-9B2.9
ArD24: length 23.5
  Bottom w1: U11.3 21.74,106.43 21.72,106.41 20.87,106.41 12.76,98.3 J3.2 6.96,98.3
ArD25: length 19.9
  Bottom w0.6: R49.1 9.78,15.88 9.78,19.3 7.24,21.84 7.24,28.96 6.09,30.11 CON-9B2.10
ArD26: length 22.5
  Bottom w1: U12.3 R24.2 20.45,100.58 15.62,95.76 J3.3 ; 11.94,95.76 6.96,95.76
ArD28: length 20.5
  Bottom w1: U13.3 21.72,94.74 R28.2 17.91,94.74 16.38,93.22 J3.4 ; 11.36,93.16 10.35,93.16 10.29,93.22 6.96,93.22
ArD30: length 27.4
  Bottom w1: U14.3 R29.2 19.43,88.9 11.56,81.03 J4.1 R33#2.1
ArD32: length 23.9
  Bottom w1: R34#2.1 J4.2 12.45,74.93 20.57,83.06 R30#2.2 U15.3
ArD62: length 20.2
  Bottom w1: R35#2.1 11.49,159.26 J5.1 11.88,159 R7.2 U2.3
ArD63: length 21.5
  Bottom w1: R36#2.1 11.49,156.72 ; J5.2 17.84,156.78 21.48,153.14 R8.2 21.74,153.16 U3.3
ArD64: length 23
  Bottom w1: U4.3 R9.2 14.79,154.25 J5.3 11.49,154.18 R37#2.1
ArD65: length 24.3
  Bottom w1: U5.3 R10.2 11.56,151.64 J5.4 ; R38.1 11.49,151.64
ArD66: length 21.6
  Bottom w1: R39.1 11.3,132.84 J6.1 14.47,135.5 R15.2 21.85,135.64 U6.3
ArD67: length 20.3
  Bottom w1: U7.3 R16.2 11.81,129.79 J6.2 11.3,130.3 R40#2.1
ArD68: length 21.6
  Bottom w1: U8.3 R17.2 18.92,123.95 15.37,127.51 J6.3 11.3,127.25 R41.1
ArD69: length 23
  Bottom w1: U9.3 R18.2 18.42,118.11 J6.4 11.3,124.71 R42#2.1
Rel14: length 10.4
  Bottom w1: U17.1 31.51,62.99 R39#2.2 25.27,62.99 U22.3
Rel15: length 9.6
  Bottom w1: U19.3 25.04,58.95 R36.2 33.01,58.95 U17.2
Rel16: length 10.7
  Bottom w1: U17.3 32,56.01 30.74,54.74 R37.2 27.44,54.74 25.01,52.32 U20.3
Rel17: length 13.4
  Bottom w1: U21.3 25.53,46.48 26.04,46.99 26.04,49.28 27.44,50.68 R38#2.2 29.72,50.68 32.51,53.47 U17.4
Rel18: length 16.5
  Bottom w1: 33.41,50.93 31.75,50.93 30.86,50.04 30.86,48.01 29.47,46.61 R47.2 27.69,46.61 26.29,45.21 26.29,41.91 25.02,40.64 U26.3
Rel19: length 15.9
  Bottom w1: U18.1 31.74,37.35 31.11,37.97 31.11,40.13 30.47,40.77 R44.2 27.44,40.77 26.04,39.37 26.04,36.58 U23.3
Rel20: length 15.5
  Bottom w1: U18.2 32.12,34.81 30.22,36.71 R45.2 27.95,36.71 26.04,34.8 26.04,30.73 U24.3
Rel21: length 17.3
  Bottom w1: U25.3 25.02,23.11 26.04,24.13 26.04,28.96 27.31,30.23 27.31,32.26 27.69,32.64 R46.2 33.03,32.64 U18.3
Rel23: length 19.3
  Bottom w1: U18.4 32.39,29.73 31.14,28.47 R51.2 27.76,28.47 27.24,27.94 27.24,19.49 25.02,17.27 U28.3
Rel25: length 21.3
  Bottom w1: U18.5 32.65,27.19 29.72,24.26 R50.2 28.83,14.73 25.53,11.43 U27.3
Net-(C2-Pad2): length 9.5
  Bottom w1: 44.2,156.46 U2.1
Net-(C3-Pad2): length 9.5
  Bottom w1: 44.2,150.62 U3.1
Net-(C4-Pad2): length 9.5
  Bottom w1: 44.2,144.78 U4.1
Net-(C5-Pad2): length 9.5
  Bottom w1: 44.2,138.94 U5.1
Net-(C7-Pad2): length 9.5
  Bottom w1: 44.2,133.1 U6.1
Net-(C8-Pad2): length 9.5
  Bottom w1: 44.2,127.25 U7.1
Net-(C9-Pad2): length 9.5
  Bottom w1: 44.2,121.41 U8.1
Net-(C10-Pad2): length 9.5
  Bottom w1: 44.2,115.57 U9.1
Net-(C11-Pad2): length 9.6
  Bottom w1: 44.2,109.73 39.79,109.73 C11.2 34.71,109.69 U10.1
Net-(C12-Pad2): length 9.5
  Bottom w1: U11.1 39.73,103.89 C12.2 39.77,103.89 44.2,103.89
Net-(C13-Pad2): length 9.5
  Bottom w1: 44.2,98.04 C13.2 U12.1
Net-(C14-Pad2): length 9.5
  Bottom w1: 44.2,92.2 C14.2 34.67,92.2 U13.1
Net-(C15-Pad2): length 9.5
  Bottom w1: 44.2,86.36 C15.2 U14.1
Net-(C16-Pad2): length 9.5
  Bottom w1: U15.1 C16.2 44.2,80.52
Net-(R31-Pad2): length 3.6
  Bottom w1: R31.2 U16.1
Net-(R32-Pad2): length 2.8
  Bottom w1: U19.1 13.85,60.7 R32.2
Net-(R33-Pad2): length 2.8
  Bottom w1: U20.1 13.85,54.86 R33.2
Net-(R34-Pad2): length 2.8
  Bottom w1: U21.1 R34.2
Net-(R35-Pad2): length 2.8
  Bottom w1: U22.1 R35.2
Net-(R40-Pad2): length 2.8
  Bottom w1: U26.1 R40.2
Net-(R41-Pad2): length 2.8
  Bottom w1: U23.1 R41#2.2
Net-(R42-Pad2): length 2.8
  Bottom w1: U24.1 13.85,31.5 R42.2
Net-(R43-Pad2): length 2.8
  Bottom w1: U25.1 R43.2
Net-(R48-Pad2): length 2.8
  Bottom w1: U28.1 R48.2
Net-(R49-Pad2): length 3
  Bottom w1: U27.1 R49.2
Net-(U1-ADJ): length 15.7
  Bottom w1: R5.1 43.81,72.49 U1.1 45.85,72.39 46.36,71.88 46.36,64.01 R6.1

## Copper pours and planes (outline as drawn; the poured copper is in the pictures)
+5V on Top: 0.13,164.59 8.25,164.59 8.25,70.61 0.13,70.61
+5V on Bottom: -0.13,164.85 8.89,164.85 8.89,70.49 -0.13,70.49
+5V on Bottom: 24.26,164.85 28.57,164.85 28.83,79.5 24,79.5
+5V on Bottom: 25.02,164.97 25.02,69.09 8.89,69.09 8.89,164.97
+24V on Top: 0.13,65.53 6.22,65.53 6.22,7.11 31.11,7.11 31.11,16.26 68.71,16.26 68.71,0 0.13,0
+24V on Top: 68.71,9.65 68.71,59.94 37.21,59.94 37.21,9.65
+24V on Top: 37.21,68.07 47.37,68.07 47.37,64.52 42.29,64.52 42.29,57.4 37.21,57.4
GNDD on Top: 24,164.85 24,70.49 8.89,70.49 8.89,164.85
GNDD on Top: 18.42,71.63 18.42,9.65 8.76,9.65 8.76,71.63
GNDPWR on Top: 68.71,164.59 68.71,76.71 32.64,76.71 32.64,164.59
GNDPWR on Top, Bottom: 25.53,9.65 25.53,67.56 35.18,67.56 35.18,9.65
GNDPWR on Bottom: 0.13,65.53 6.22,65.53 6.22,7.11 25.53,7.11 25.53,11.18 68.71,11.18 68.71,0 0.13,0
GNDPWR on Bottom: 31.88,59.18 31.69,9.91 68.39,9.65 68.39,164.85 32.83,164.85 32.45,59.18
+5P on Top: 68.71,76.2 32.64,76.2 32.64,67.56 22.22,67.56 22.22,9.65 68.71,9.65
+5P on Top, Bottom: 47.62,75.95 68.71,75.95 68.71,62.99 47.62,62.99
+5P on Bottom: 47.62,75.95 68.71,75.95 68.71,62.99 47.62,62.99

## Text on the board
B.Silkscreen: GNDPWR | +24 V | Isolation | JLCJLCJLCJLC | GND D | LM317 5.8V | ULN2803APG Darlington BJT Array | Repair and Re-Use | Be Part of the Change / Not Part of the Problem / Be Open Source, Be Brave | The Imposter / Among Us is Thee That / Does Not Open Source / Their Project - / Leeching Off Other / Open Source Strides | Right to / Repair
F.Silkscreen: Edge Rate / Control | GND D | 24V/P-GND | +24 V | OptoCoupler | Limit | Zener Clamp | GNDPWR | ArD32 ArD30 | ArD65 - ArD62 | ArD69 - ArD66 | ArD28 - ArD22'''' | 24V PGND | 5V DGND | Powered by OpenPLC | ArD25 - ArD14 | rQ1.1 - rQ0.0 | Design by | iX0.7 - iX0.0 | iX1.5 - iX1.0 | PLC Restoration Project | Rev 2.0 / 12/23 | -> | Digital I/O Ports | Akbar Q
